# Altium PCB TSAV UPDATED UCM ISO.PcbDoc (part 2 of 2)
Units mm, origin at the board's own origin, x right, y up, seen from the top; angles counter-clockwise.
Board outline 89.03 x 90.17 mm, 4 copper layers (Top Layer, GND, PWR, Bottom Layer), stack 1.515 mm thick; 135 components, 75 nets, 408 pads, 140 vias.
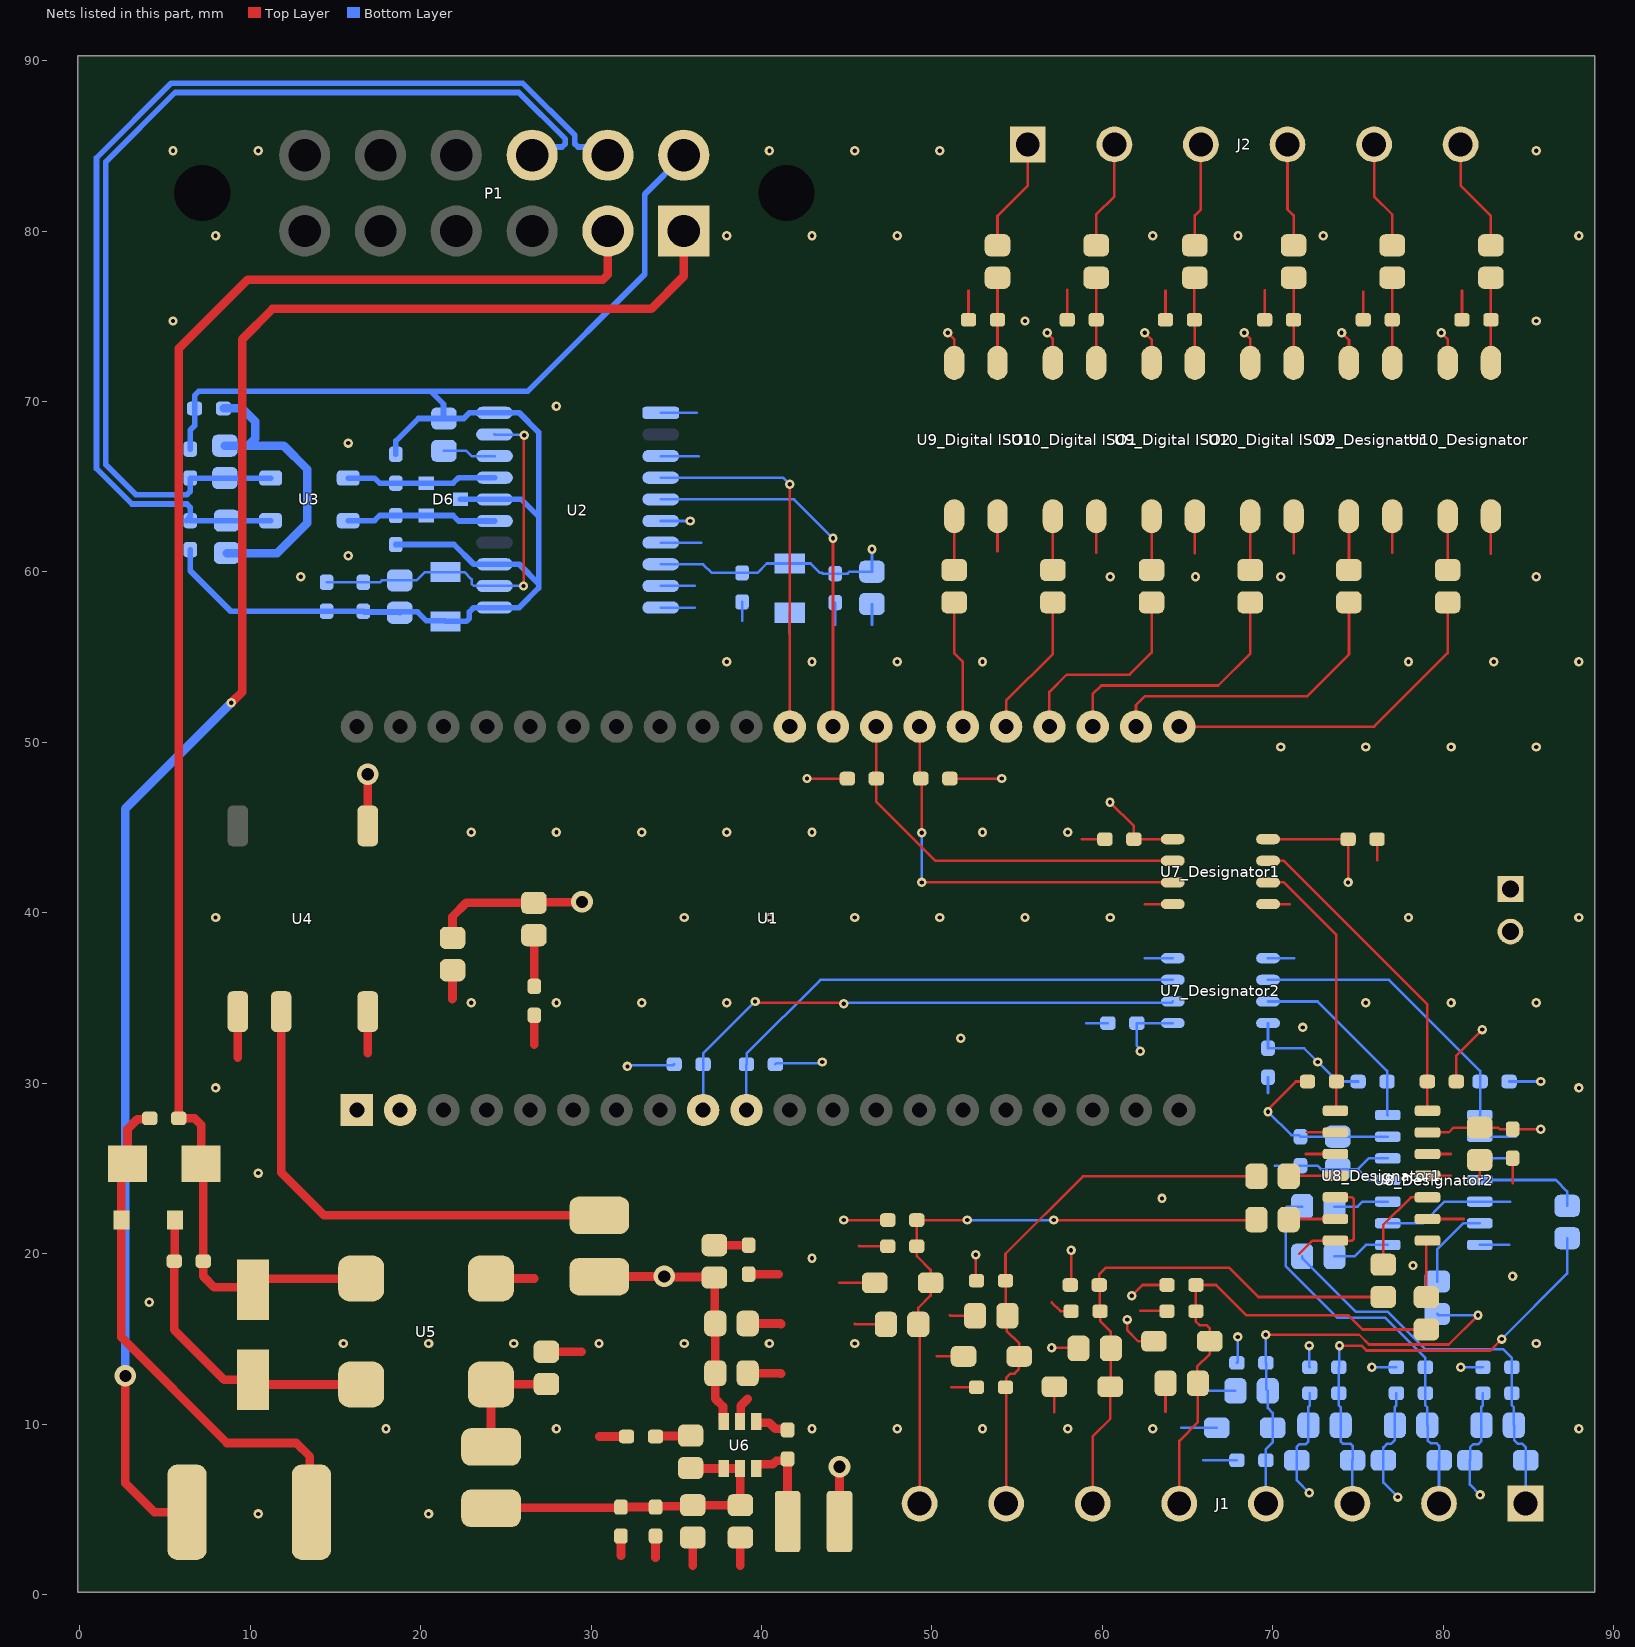
[diagram p4: the nets of this part, all layers, seen from the top]

## Via types
v1: diameter 0.55, hole 0.25, Top Layer to Bottom Layer, 135 vias
v2: diameter 1.27, hole 0.711, Top Layer to Bottom Layer, 5 vias

## Nets (pads, with @x,y where several pads share a name; then routed paths per layer and width w, separated by ;. In a path a pad name is that pad's centre, name@x,y a point inside that pad or via, vN(x,y) a via of type N, cw(c..) or ccw(c..) an arc to the next point about the centre after c; other vN are vias at no path point)
0V: "R21_Digital ISO1.1" "R21_Digital ISO2.1" "R28_Digital ISO1.1" "R28_Digital ISO2.1" C14.1 C16.1 C17.1 C21.1 C22.1 C23.1 C24.1 C26_Designator1.2 C26_Designator2.2 C30_Designator1.1 C30_Designator2.1 C32_Designator1.1 C32_Designator2.1 C33_Designator1.1 C33_Designator2.1 C34_Designator1.1 C34_Designator2.1 C35_Designator1.1 C35_Designator2.1 C36_Designator1.1 C36_Designator2.1 D8_Designator1.A D8_Designator2.A D9_Designator1.A D9_Designator2.A D10_Designator1.A D10_Designator2.A D11_Designator1.A D11_Designator2.A P2.2 R4.1 R5.1 R16_Designator1.1 R16_Designator2.1 R17_Designator1.1 R17_Designator2.1 R18_Designator1.1 R18_Designator2.1 R19_Designator1.1 R19_Designator2.1 R21_Designator.1 R28_Designator.1 U4.1 U5.3 U6.2 U7_Designator1.5 U7_Designator2.5 U8_Designator1.2 U8_Designator1.4 U8_Designator1.5 U8_Designator1.9 U8_Designator1.10 U8_Designator1.12 U8_Designator1.14 U8_Designator2.2 U8_Designator2.4 U8_Designator2.5 U8_Designator2.9 U8_Designator2.10 U8_Designator2.12 U8_Designator2.14 | length 124.6
  Top Layer w0.152: 44.577,18.288 D10_Designator1.A@46.647,18.288 ; 45.466,15.875 45.492,15.849 C35_Designator1.1@47.298,15.849 ; 45.72,20.447 45.736,20.431 R17_Designator1.1@47.41,20.431 ; 50.292,13.97 D11_Designator1.A@51.854,13.97 ; 51.054,16.383 51.08,16.357 C36_Designator1.1@52.529,16.357 ; 51.147,12.158 R18_Designator1.1@52.617,12.158 ; 52.148,74.803 52.148,76.503 ; v1(57.023,14.478) 58.558,14.478 C34_Designator1.1@58.601,14.435 ; 57.023,17.145 57.547,16.621 R19_Designator1.1@58.166,16.621 ; 57.188,10.706 D9_Designator1.A@57.188,12.192 ; 57.939,74.803 57.939,76.554 ; v1(61.468,16.129) 61.468,15.494 62.103,14.859 D8_Designator1.A@63.03,14.859 ; 62.23,16.637 63.777,16.637 R16_Designator1.1@63.793,16.621 ; 63.705,74.803 63.705,76.503 ; 63.705,10.717 C33_Designator1.1@63.705,12.391 ; 69.522,74.803 69.522,76.528 ; U7_Designator1.5@69.723,40.513 70.993,40.513 ; 71.565,20.003 72.327,20.765 U8_Designator1.14@73.681,20.765 74.659,20.765 74.748,20.854 74.748,23.216 74.659,23.305 U8_Designator1.12@73.681,23.305 ; 71.945,25.845 U8_Designator1.10@73.681,25.845 ; 72.009,27.115 U8_Designator1.9@73.681,27.115 ; 75.311,76.454 75.313,76.452 R21_Designator.1@75.313,74.803 ; 76.122,43.102 C30_Designator1.1@76.122,44.323 ; U8_Designator1.4@79.081,24.575 80.455,24.575 ; U8_Designator1.5@79.081,25.845 80.454,25.845 ; U8_Designator1.2@79.113,22.003 U8_Designator1.2@79.081,22.035 81.217,22.035 ; R28_Designator.1@81.104,74.803 81.104,76.503 ; 82.143,24.283 C26_Designator1.2@82.143,25.493 ; 84.074,24.13 C32_Designator1.1@84.074,25.605 C32_Designator1.1@84.123,25.654
  Top Layer w0.5: P2.2@83.82,41.529 P2.2@83.947,41.402
  Top Layer w0.508: 9.271,31.496 U4.1@9.271,34.2 ; U5.3@24.132,18.541 U5.3@24.13,18.539 26.667,18.539 26.67,18.542 ; C14.1@27.38,14.243 29.445,14.243 ; 30.48,9.271 R4.1@32.082,9.271 ; 31.75,2.286 C21.1@31.75,3.429 ; 33.782,2.159 C17.1@33.782,3.429 ; 35.967,1.677 C16.1@35.967,3.341 ; U6.2@38.735,10.138 38.781,10.184 38.781,11.072 39.189,11.48 ; 38.761,1.677 C22.1@38.761,3.341 ; C23.1@39.189,12.98 41.122,12.98 41.148,12.954 ; C24.1@39.189,15.901 41.122,15.901 41.148,15.875 ; R5.1@39.243,18.796 41.021,18.796
  Bottom Layer w0.152: 64.643,9.779 D10_Designator2.A@66.713,9.779 ; 65.913,7.874 R17_Designator2.1@67.896,7.874 ; 65.913,11.938 65.924,11.949 C35_Designator2.1@67.808,11.949 ; 69.723,29.426 C30_Designator2.1@69.723,30.353 ; U7_Designator2.5@69.723,37.338 71.247,37.338 ; 70.119,25.161 C32_Designator2.1@71.628,25.161 72.629,25.161 72.829,24.961 C26_Designator2.2@73.813,24.961 74.988,24.961 ; v1(72.136,5.969) 71.412,6.693 71.412,8.674 71.559,8.821 71.94,8.821 72.087,8.968 72.087,10.998 72.175,11.086 R18_Designator2.1@72.175,11.811 ; U8_Designator2.2@76.748,21.781 78.813,21.781 80.083,23.051 83.947,23.051 ; U8_Designator2.4@76.748,24.321 75.628,24.321 74.988,24.961 ; U8_Designator2.5@76.748,25.591 75.629,25.591 74.999,24.961 74.988,24.961 ; R19_Designator2.1@77.255,11.811 77.255,11.086 77.167,10.998 C34_Designator2.1@77.167,9.932 77.156,9.92 77.156,9.043 76.951,8.839 76.696,8.839 76.492,8.635 76.492,6.566 v1(77.343,5.715) ; U8_Designator2.14@82.148,20.511 83.884,20.511 ; U8_Designator2.10@82.148,25.591 84.265,25.591 ; U8_Designator2.9@82.148,26.861 84.264,26.861 ; v1(82.169,5.842) 81.572,6.439 D8_Designator2.A@81.572,7.874 81.589,7.891 81.589,8.639 81.771,8.821 82.065,8.821 82.247,9.002 82.247,10.998 82.335,11.086 R16_Designator2.1@82.335,11.811
  other v1: 10.465,4.727 20.465,4.727 17.965,9.727 27.965,9.727 42.965,9.727 47.965,9.727 52.965,9.727 57.965,9.727 62.965,9.727 87.965,9.727 15.465,14.727 20.465,14.727 25.465,14.727 30.465,14.727 35.465,14.727 40.465,14.727 45.465,14.727 85.465,14.727 4.064,17.145 84.074,18.669 78.232,19.304 42.965,19.727 63.5,23.241 10.465,24.727 7.965,29.727 87.965,29.727 71.755,33.274 75.465,34.727 80.465,34.727 85.465,34.727 7.965,39.727 77.965,39.727 87.965,39.727 12.965,59.727 15.748,60.96 15.748,67.564 27.965,69.727 5.465,74.727 55.465,74.727 85.465,74.727 7.965,79.727 37.965,79.727 42.965,79.727 47.965,79.727 62.965,79.727 67.965,79.727 72.965,79.727 87.965,79.727 5.465,84.727 10.465,84.727 40.465,84.727 45.465,84.727 50.465,84.727 85.465,84.727
"0V (ISO)": "U9_Digital ISO1.2" "U9_Digital ISO2.2" "U10_Digital ISO1.2" "U10_Digital ISO2.2" C2.1 C3.1 C4.1 C8.1 C25.1 C29_Designator1.1 C29_Designator2.1 R6.1 U1.1 U2.1 U2.3 U2.7 U2.9 U2.10 U4.4 U7_Designator1.4 U7_Designator2.4 U9_Designator.2 U10_Designator.2 | length 40.2
  Top Layer w0.152: 53.848,61.214 53.848,63.271 ; 58.801,44.323 C29_Designator1.1@60.149,44.323 C29_Designator1.1@60.086,44.386 ; 59.639,61.138 59.639,63.271 ; 62.484,40.513 U7_Designator1.4@64.135,40.513 ; 65.43,61.112 65.43,63.271 ; 71.222,61.112 71.222,63.271 ; 77.013,61.138 U9_Designator.2@77.013,63.271 ; 82.804,61.087 U10_Designator.2@82.804,63.271
  Top Layer w0.508: 16.891,31.75 U4.4@16.891,34.2 ; 21.844,34.925 21.87,34.951 C25.1@21.87,36.63 ; 26.67,32.258 R6.1@26.67,33.987
  Bottom Layer w0.152: U2.10@34.087,57.912 36.068,57.912 ; U2.9@34.087,59.182 36.068,59.182 ; U2.7@34.087,61.722 36.449,61.722 ; U2.3@34.087,66.802 36.322,66.802 ; U2.1@34.087,69.342 36.195,69.342 ; 38.862,57.15 C8.1@38.862,58.244 ; 41.656,56.388 C2.1@41.656,57.61 ; 44.323,56.896 C4.1@44.323,58.205 ; C3.1@46.477,58.117 46.482,58.112 46.482,56.896 ; 59.055,33.528 C29_Designator2.1@60.325,33.528 ; 62.484,37.338 U7_Designator2.4@64.135,37.338
  other v1: 51.689,32.639 22.965,34.727 27.965,34.727 32.965,34.727 37.965,34.727 35.465,39.727 40.465,39.727 45.465,39.727 50.465,39.727 55.465,39.727 60.465,39.727 22.965,44.727 27.965,44.727 32.965,44.727 37.965,44.727 42.965,44.727 52.965,44.727 57.965,44.727 70.465,49.727 75.465,49.727 80.465,49.727 85.465,49.727 37.965,54.727 42.965,54.727 47.965,54.727 52.965,54.727 77.965,54.727 82.965,54.727 87.965,54.727 60.465,59.727 65.465,59.727 70.465,59.727 85.465,59.727
5V: "U9_Digital ISO1.4" "U9_Digital ISO2.4" "U10_Digital ISO1.4" "U10_Digital ISO2.4" C23.2 C24.2 C26_Designator1.1 C26_Designator2.1 C30_Designator1.2 C30_Designator2.2 C32_Designator1.2 C32_Designator2.2 D4.A L2.1 L3.2 P2.1 R10_Designator1.2 R10_Designator2.2 R11_Designator1.2 R11_Designator2.2 R12_Designator1.2 R12_Designator2.2 R13_Designator1.2 R13_Designator2.2 R14_Designator1.2 R14_Designator2.2 R15_Designator1.1 R15_Designator2.1 U6.3 U7_Designator1.8 U7_Designator2.8 U8_Designator1.6 U8_Designator2.6 U9_Designator.4 U10_Designator.4 | length 82.2
  Top Layer w0.152: v1(44.831,21.971) R14_Designator1.2@47.41,21.971 ; v1(50.927,74.041) 51.308,73.66 51.308,72.271 ; v1(52.578,19.939) 52.578,18.454 R15_Designator1.1@52.617,18.415 ; v1(56.769,74.041) 56.769,73.99 57.099,73.66 57.099,72.271 ; R13_Designator1.2@58.117,18.161 58.166,18.21 v1(58.166,20.193) ; v1(61.722,17.526) 62.357,18.161 R12_Designator1.2@63.793,18.161 ; v1(62.484,74.041) 62.89,73.635 62.89,72.271 ; v1(68.326,74.041) 68.682,73.685 68.682,72.271 ; v1(69.723,28.321) 69.799,28.397 69.799,28.538 71.36,30.099 R11_Designator1.2@72.038,30.099 ; U7_Designator1.8@69.723,44.323 C30_Designator1.2@74.422,44.323 v1(74.422,41.783) ; v1(74.041,74.041) 74.473,73.609 U9_Designator.4@74.473,72.271 ; U8_Designator1.6@79.081,27.115 80.328,27.115 80.606,27.393 C26_Designator1.1@82.143,27.393 83.224,27.393 83.312,27.305 C32_Designator1.2@84.074,27.305 v1(85.725,27.305) ; v1(79.883,74.041) 80.264,73.66 U10_Designator.4@80.264,72.271 ; R10_Designator1.2@80.772,30.099 80.772,31.623 v1(82.296,33.147)
  Top Layer w0.508: L3.2@30.48,18.647 30.491,18.658 34.279,18.658 v2(34.29,18.669) 34.326,18.633 37.201,18.633 37.263,18.57 37.263,15.927 C24.2@37.289,15.901 37.289,11.48 37.739,11.03 37.739,10.184 U6.3@37.785,10.138 ; L2.1@44.578,4.279 v2(44.577,7.493)
  Bottom Layer w0.152: R14_Designator2.2@67.896,13.589 67.945,13.638 v1(67.945,15.113) ; v1(69.723,28.321) 71.089,26.955 71.534,26.955 C32_Designator2.2@71.628,26.861 C26_Designator2.1@73.813,26.861 U8_Designator2.6@76.748,26.861 ; U7_Designator2.8@69.723,33.528 C30_Designator2.2@69.723,32.053 71.833,32.053 73.787,30.099 R10_Designator2.2@75.008,30.099 ; v1(72.136,14.605) 72.136,13.374 R15_Designator2.1@72.175,13.335 ; v1(75.819,13.335) R13_Designator2.2@77.255,13.335 ; v1(81.026,13.335) R12_Designator2.2@82.335,13.335 ; R11_Designator2.2@83.869,30.099 v1(85.725,30.099)
  other v1: 72.644,31.242
"5V (ISO)": C2.2 C3.2 C4.2 C8.2 C25.2 C29_Designator1.2 C29_Designator2.2 D5.A R8_Designator1.2 R8_Designator2.2 R9_Designator1.2 R9_Designator2.2 U1.2 U2.6 U2.8 U4.5 U7_Designator1.1 U7_Designator2.1 | length 48.3
  Top Layer w0.152: v1(42.672,47.879) R8_Designator1.2@45.036,47.879 ; R9_Designator1.2@51.054,47.879 v1(54.102,47.879) ; v1(60.452,46.482) 61.849,45.085 C29_Designator1.2@61.849,44.323 U7_Designator1.1@64.135,44.323
  Top Layer w0.508: U4.5@16.891,45.1 v2(16.891,48.133) ; C25.2@21.87,38.53 21.87,39.777 22.679,40.586 D5.A@26.644,40.586 26.671,40.613 29.437,40.613 v2(29.464,40.64)
  Bottom Layer w0.152: v1(32.131,30.988) 32.194,31.051 34.813,31.051 R8_Designator2.2@34.876,31.115 ; U2.8@34.087,60.452 36.576,60.452 37.084,59.944 C8.2@38.862,59.944 39.751,59.944 40.307,60.5 C2.2@41.656,60.5 42.878,60.5 43.434,59.944 43.561,59.944 43.6,59.905 C4.2@44.323,59.905 45.046,59.905 45.158,60.017 C3.2@46.477,60.017 46.482,60.022 v1(46.482,61.341) ; U2.6@34.087,62.992 v1(35.814,62.992) ; R9_Designator2.2@40.816,31.115 40.879,31.178 43.497,31.178 v1(43.561,31.242) ; v1(62.23,31.877) 62.23,31.985 62.025,32.19 C29_Designator2.2@62.025,33.528 U7_Designator2.1@64.135,33.528
CAN_N: C10.2 P1.11 R3.2 U3.2 | length 64.2
  Bottom Layer w0.33: C10.2@6.249,63.012 6.477,63.24 6.477,63.794 6.284,63.987 3.053,63.987 0.974,66.066 0.974,84.302 5.36,88.688 25.985,88.688 29.038,85.635 29.038,85.133 29.231,84.94 30.508,84.94 P1.11@30.988,84.46 ; C10.2@6.477,63.012 R3.2@8.61,63.012 U3.2@11.198,63.012
CAN_P: C9.2 P1.10 R2.2 U3.1 | length 61.3
  Bottom Layer w0.33: U3.1@11.198,65.512 R2.2@8.509,65.512 C9.2@6.477,65.512 6.477,64.73 6.284,64.537 3.281,64.537 1.524,66.294 1.524,84.074 5.588,88.138 25.757,88.138 28.488,85.407 28.488,85.133 28.295,84.94 27.018,84.94 P1.10@26.538,84.46
CANS: C1.1 C5.1 C6.1 C7.1 C9.1 C10.1 C11.1 C12.1 C13.1 D6.3 P1.12 R1.1 U2.11 U2.13 U2.16 U2.20 | length 100.3
  Bottom Layer w0.33: C10.1@6.477,61.312 6.477,60.071 8.851,57.697 C1.1@14.478,57.697 C7.1@16.637,57.697 16.681,57.653 18.726,57.653 C6.1@18.77,57.609 18.819,57.658 19.812,57.658 20.32,57.15 21.415,57.15 C5.1@21.463,57.102 22.685,57.102 22.86,57.277 22.86,57.658 23.114,57.912 U2.11@24.333,57.912 25.781,57.912 26.924,59.055 26.924,59.309 ; C9.1@6.477,67.212 6.477,68.326 6.731,68.58 C13.1@6.731,69.596 6.731,70.358 6.985,70.612 20.574,70.612 ; C12.1@18.542,61.612 21.954,61.612 23.114,60.452 U2.13@24.334,60.452 25.781,60.452 26.924,59.309 ; C11.1@18.542,66.912 18.542,67.691 19.861,69.01 R1.1@21.362,69.01 ; D6.3@22.336,64.262 U2.16@24.334,64.262 25.908,64.262 26.924,63.246 ; P1.12@35.438,84.46 33.147,82.169 33.147,77.47 26.289,70.612 20.574,70.612 ; 20.574,70.612 21.336,69.85 21.336,69.036 R1.1@21.362,69.01 ; R1.1@21.362,69.01 22.528,69.01 22.86,69.342 U2.20@24.334,69.342 25.781,69.342 26.924,68.199 26.924,63.246 ; 26.924,59.309 26.924,63.246
GLV+: F1.1 P1.1 | length 104.4
  Top Layer w0.508: v2(2.667,12.827) 2.667,6.536 4.377,4.826 F1.1@6.289,4.826 ; v1(8.89,52.324) 9.525,52.959 9.525,73.66 11.303,75.438 33.528,75.438 35.438,77.348 P1.1@35.438,80.01
  Bottom Layer w0.508: v2@2.667,12.834 2.667,46.101 v1(8.89,52.324)
GLV-: C15.1 C18.1 C19.1 D3.K P1.2 U5.4 | length 95
  Top Layer w0.5: 7.156,74.466 9.851,77.161 30.695,77.161 30.988,77.454 P1.2@30.988,80.01 ; C19.1@10.485,18.215 10.809,18.539 U5.4@16.51,18.539
  Top Layer w0.508: 7.156,74.466 5.803,73.113 C18.1@5.803,27.94 6.731,27.94 7.118,27.553 D3.K@7.118,25.273 7.239,25.152 C15.1@7.239,19.558 7.239,18.669 7.889,18.019 10.031,18.019 C19.1@10.16,17.89 C19.1@10.485,18.215
GND: 
NetC1_2: C1.2 C5.2 C6.2 C7.2 U2.12 U2.19 | length 22.9
  Top Layer w0.152: v1(26.035,59.182) 26.058,59.205 26.058,68.004 v1(26.081,68.026)
  Bottom Layer w0.152: C1.2@14.478,59.397 C7.2@16.637,59.397 17.614,59.397 17.726,59.509 C6.2@18.77,59.509 19.758,59.509 20.241,59.992 C5.2@21.463,59.992 22.558,59.992 22.987,59.563 22.987,59.309 23.114,59.182 U2.12@24.334,59.182 v1(26.035,59.182) ; U2.19@24.334,68.072 24.357,68.049 26.058,68.049 v1(26.081,68.026)
NetC11_2: C11.2 D6.2 U2.17 U3.4 | length 8.8
  Bottom Layer w0.33: U3.4@15.748,65.512 17.292,65.512 17.592,65.212 C11.2@18.542,65.212 D6.2@20.336,65.212 21.905,65.212 22.225,65.532 U2.17@24.334,65.532
NetC12_2: C12.2 D6.1 U2.15 U3.3 | length 8.8
  Bottom Layer w0.33: U3.3@15.748,63.012 17.292,63.012 17.592,63.312 C12.2@18.542,63.312 D6.1@20.336,63.312 21.905,63.312 22.225,62.992 U2.15@24.334,62.992
NetC13_2: C13.2 R2.1 R3.1 | length 17.8
  Bottom Layer w0.5: C13.2@8.431,69.596 9.525,69.596 10.287,68.834 10.287,67.818 9.881,67.412 ; R2.1@8.509,67.412 9.881,67.412 ; R3.1@8.61,61.112 11.582,61.112 13.335,62.865 13.335,66.04 11.963,67.412 9.881,67.412
NetC14_2: C14.2 L1.2 U5.2 | length 6.9
  Top Layer w0.508: L1.2@24.13,8.658 U5.2@24.13,12.319 24.142,12.331 27.368,12.331 C14.2@27.38,12.343
NetC18_2: C18.2 D1.A D3.A F1.2 | length 31.2
  Top Layer w0.508: C18.2@4.103,27.94 4.043,27.88 3.369,27.88 2.794,27.305 2.794,25.279 2.438,24.923 D1.A@2.438,21.971 2.438,15.088 8.636,8.89 12.7,8.89 13.5,8.09 13.5,4.915 F1.2@13.589,4.826
NetC20_1: C20.1 L2.2 U6.6 | length 5.9
  Top Layer w0.508: U6.6@39.685,7.388 39.685,7.588 39.731,7.634 40.654,7.634 40.875,7.855 41.432,7.855 C20.1@41.529,7.952 L2.2@41.528,4.279 L2.2@41.528,4.279
NetC20_2: C20.2 U6.1 | length 2
  Top Layer w0.508: U6.1@39.685,10.138 39.685,10.129 39.731,10.083 40.449,10.083 40.808,9.725 41.506,9.725 C20.2@41.529,9.702
NetC33_Designator1_2: C33_Designator1.2 D8_Designator1.K J1.5 R12_Designator1.1 R16_Designator1.2 R22_Designator1.1 | length 28.8
  Top Layer w0.152: J1.5@64.516,5.334 64.516,9.017 65.605,10.106 C33_Designator1.2@65.605,12.391 ; C33_Designator1.2@65.569,12.391 65.569,13.369 66.307,14.107 D8_Designator1.K@66.307,14.859 66.307,15.608 66.109,15.806 65.69,15.806 65.493,16.003 R16_Designator1.2@65.493,16.621 R12_Designator1.1@65.493,18.161 66.675,18.161 68.453,16.383 74.435,16.383 75.27,15.548 R22_Designator1.1@79.02,15.548
NetC33_Designator2_2: C33_Designator2.2 D8_Designator2.K J1.1 R12_Designator2.1 R16_Designator2.2 R22_Designator2.1 | length 23.9
  Bottom Layer w0.152: R22_Designator2.1@71.723,19.838 71.723,19.738 74.862,16.599 76.74,16.599 78.958,14.381 83.535,14.381 84.035,13.881 R12_Designator2.1@84.035,13.335 84.035,11.098 84.147,10.986 C33_Designator2.2@84.147,9.932 84.175,9.905 84.175,9.043 84.381,8.837 84.643,8.837 84.849,8.632 84.849,5.347 J1.1@84.836,5.334
NetC34_Designator1_2: C34_Designator1.2 D9_Designator1.K J1.6 R13_Designator1.1 R19_Designator1.2 R24_Designator1.1 | length 31.6
  Top Layer w0.152: J1.6@59.436,5.334 59.436,9.271 60.465,10.3 D9_Designator1.K@60.465,12.192 60.501,12.228 C34_Designator1.2@60.501,14.435 60.501,15.413 59.866,16.048 R19_Designator1.2@59.866,16.621 ; R19_Designator1.2@59.841,16.696 59.841,18.137 R13_Designator1.1@59.817,18.161 59.817,18.789 60.205,19.177 67.437,19.177 69.161,17.453 R24_Designator1.1@76.48,17.453
NetC34_Designator2_2: C34_Designator2.2 D9_Designator2.K J1.2 R13_Designator2.1 R19_Designator2.2 R24_Designator2.1 | length 23.9
  Bottom Layer w0.152: R24_Designator2.1@71.723,22.759 70.845,22.759 70.756,22.67 70.756,19.273 73.784,16.244 76.593,16.244 78.955,13.882 R13_Designator2.1@78.955,13.335 78.955,11.098 79.067,10.986 C34_Designator2.2@79.067,9.932 79.095,9.905 79.095,9.043 79.261,8.877 79.597,8.877 79.762,8.712 79.762,7.874 79.756,7.868 J1.2@79.756,5.334
NetC35_Designator1_2: C35_Designator1.2 D10_Designator1.K J1.8 R14_Designator1.1 R17_Designator1.2 R25_Designator1.2 | length 37.2
  Top Layer w0.152: J1.8@49.276,5.334 49.276,15.771 C35_Designator1.2@49.198,15.849 49.198,16.813 49.924,17.539 49.924,19.037 49.11,19.851 R14_Designator1.1@49.11,21.971 v1(52.07,21.971) ; v1(57.15,21.971) 69.013,21.971 R25_Designator1.2@69.039,21.997
  Bottom Layer w0.152: v1(52.07,21.971) v1(57.15,21.971)
NetC35_Designator2_2: C35_Designator2.2 D10_Designator2.K J1.4 R14_Designator2.1 R17_Designator2.2 R25_Designator2.2 | length 26.1
  Top Layer w0.152: v1(69.596,15.24) 75.076,15.24 75.646,14.67 80.329,14.67 v1(82.042,16.383)
  Bottom Layer w0.152: J1.4@69.596,5.334 R17_Designator2.2@69.596,7.891 ; R17_Designator2.2@69.596,7.874 69.596,8.529 69.99,8.923 69.99,10.656 69.712,10.933 69.712,11.945 69.615,12.042 69.615,13.57 R14_Designator2.1@69.596,13.589 v1(69.596,15.24) ; R25_Designator2.2@79.655,16.461 79.733,16.383 v1(82.042,16.383)
NetC36_Designator1_2: C36_Designator1.2 D11_Designator1.K J1.7 R15_Designator1.2 R18_Designator1.2 R23_Designator1.2 | length 32.1
  Top Layer w0.152: J1.7@54.356,5.334 54.356,12.147 54.358,12.149 54.358,12.702 54.618,12.962 54.847,12.962 55.107,13.221 55.107,13.946 D11_Designator1.K@55.131,13.97 55.131,14.719 54.382,15.468 54.382,16.348 54.336,16.394 54.336,18.396 R15_Designator1.2@54.317,18.415 54.317,19.994 58.861,24.537 R23_Designator1.2@69.039,24.537
NetC36_Designator2_2: C36_Designator2.2 D11_Designator2.K J1.3 R15_Designator2.2 R18_Designator2.2 R23_Designator2.2 | length 27.3
  Top Layer w0.152: v1(73.914,14.605) 75.209,14.605 75.499,14.314 82.767,14.314 v1(83.439,14.986)
  Bottom Layer w0.152: v1(73.914,14.605) 73.914,13.374 R15_Designator2.2@73.875,13.335 73.875,11.098 73.987,10.986 73.987,8.979 74.121,8.845 74.555,8.845 74.689,8.712 D11_Designator2.K@74.689,7.874 74.676,7.861 J1.3@74.676,5.334 ; v1(83.439,14.986) 87.275,18.822 R23_Designator2.2@87.275,20.906
NetD2_K: D2.K R4.2 | length 2.1
  Top Layer w0.508: R4.2@33.782,9.271 33.806,9.295 35.816,9.295 D2.K@35.84,9.32
NetD4_K: D4.K R5.2 | length 2
  Top Layer w0.508: D4.K@37.237,20.496 R5.2@39.243,20.496
NetD5_K: D5.K R6.2 | length 3
  Top Layer w0.508: D5.K@26.644,38.686 26.657,38.673 26.657,35.7 R6.2@26.67,35.687
NetJ2_1: "R20_Digital ISO1.2" J2.1 | length 6.7
  Top Layer w0.152: 53.848,79.17 53.848,80.899 55.626,82.677 J2.1@55.626,85.09
NetJ2_2: "R27_Digital ISO1.2" J2.2 | length 6.4
  Top Layer w0.152: 59.639,79.17 59.639,80.975 60.706,82.042 J2.2@60.706,85.09
NetJ2_3: "R20_Digital ISO2.2" J2.3 | length 6.1
  Top Layer w0.152: 65.43,79.17 65.43,80.924 65.786,81.28 J2.3@65.786,85.09
NetJ2_4: "R27_Digital ISO2.2" J2.4 | length 6.1
  Top Layer w0.152: J2.4@70.866,85.09 70.866,81.28 71.222,80.924 71.222,79.17
NetJ2_5: J2.5 R20_Designator.2 | length 6.4
  Top Layer w0.152: J2.5@75.946,85.09 75.946,82.042 77.013,80.975 R20_Designator.2@77.013,79.17
NetJ2_6: J2.6 R27_Designator.2 | length 6.7
  Top Layer w0.152: J2.6@81.026,85.09 81.026,82.677 82.804,80.899 R27_Designator.2@82.804,79.17
NetL3_1: L3.1 U4.2 | length 29.1
  Top Layer w0.508: U4.2@11.811,34.2 11.811,24.765 14.329,22.247 L3.1@30.48,22.247
NetR1_2: R1.2 U2.18 | length 3.1
  Bottom Layer w0.152: R1.2@21.362,67.11 22.679,67.11 22.987,66.802 U2.18@24.334,66.802
NetR7_Designator_1: R7_Designator.1 U1.22 | length 18
  Top Layer w0.152: U1.22@61.976,50.927 61.976,52.197 62.484,52.705 72.009,52.705 74.473,55.169 R7_Designator.1@74.473,58.22
NetR7_Designator_2: R7_Designator.2 U9_Designator.1 | length 3.2
  Top Layer w0.152: R7_Designator.2@74.473,60.12 U9_Designator.1@74.473,63.271
"NetR7_Digital ISO1_1": "R7_Digital ISO1.1" U1.26 | length 7.4
  Top Layer w0.152: 51.308,58.22 51.308,55.245 51.777,54.776 ; U1.26@51.816,50.927 51.816,54.737
"NetR7_Digital ISO1_2": "R7_Digital ISO1.2" "U9_Digital ISO1.1" | length 3.2
  Top Layer w0.152: 51.308,60.12 51.308,63.271
"NetR7_Digital ISO2_1": "R7_Digital ISO2.1" U1.24 | length 11.9
  Top Layer w0.152: U1.24@56.896,50.927 56.896,52.959 57.912,53.975 61.595,53.975 62.89,55.27 62.89,58.22
"NetR7_Digital ISO2_2": "R7_Digital ISO2.2" "U9_Digital ISO2.1" | length 3.2
  Top Layer w0.152: 62.89,60.12 62.89,63.271
NetR8_Designator1_1: R8_Designator1.1 U1.28 U7_Designator1.2 | length 23.2
  Top Layer w0.152: U1.28@46.736,50.927 46.736,46.515 50.198,43.053 U7_Designator1.2@64.135,43.053
NetR8_Designator2_1: R8_Designator2.1 U1.9 U7_Designator2.2 | length 32.2
  Top Layer w0.152: v1(39.624,34.798) 39.688,34.734 44.767,34.734 v1(44.831,34.671)
  Bottom Layer w0.152: U1.9@36.576,28.427 36.576,31.75 v1(39.624,34.798) ; v1(44.831,34.671) 44.895,34.734 64.072,34.734 U7_Designator2.2@64.135,34.798
NetR9_Designator1_1: R9_Designator1.1 U1.27 U7_Designator1.3 | length 23.9
  Top Layer w0.152: U1.27@49.276,50.927 49.276,47.957 49.403,47.83 v1(49.403,44.704) ; v1(49.403,41.783) U7_Designator1.3@64.135,41.783
  Bottom Layer w0.152: v1(49.403,41.783) v1(49.403,44.704)
NetR9_Designator2_1: R9_Designator2.1 U1.10 U7_Designator2.3 | length 30.1
  Bottom Layer w0.152: U1.10@39.116,28.427 R9_Designator2.1@39.116,31.115 39.132,31.131 39.132,31.743 43.457,36.068 U7_Designator2.3@64.135,36.068
NetR10_Designator1_1: R10_Designator1.1 U7_Designator1.7 U8_Designator1.7 | length 19.1
  Top Layer w0.152: U7_Designator1.7@69.723,43.053 70.651,43.053 79.072,34.632 79.072,28.394 U8_Designator1.7@79.081,28.385
NetR10_Designator2_1: R10_Designator2.1 U7_Designator2.7 U8_Designator2.7 | length 11.3
  Bottom Layer w0.152: U7_Designator2.7@69.723,34.798 72.637,34.798 76.708,30.727 76.708,28.171 U8_Designator2.7@76.748,28.131
NetR11_Designator1_1: R11_Designator1.1 U7_Designator1.6 U8_Designator1.8 | length 15.6
  Top Layer w0.152: U7_Designator1.6@69.723,41.783 70.651,41.783 73.738,38.696 73.738,28.442 U8_Designator1.8@73.681,28.385
NetR11_Designator2_1: R11_Designator2.1 U7_Designator2.6 U8_Designator2.8 | length 17.3
  Bottom Layer w0.152: U7_Designator2.6@69.723,36.068 76.828,36.068 82.169,30.727 82.169,28.152 U8_Designator2.8@82.148,28.131
NetR20_Designator_1: R20_Designator.1 R21_Designator.2 U9_Designator.3 | length 5
  Top Layer w0.152: U9_Designator.3@77.013,72.271 R21_Designator.2@77.013,74.803 R20_Designator.1@77.013,77.27
"NetR20_Digital ISO1_1": "R20_Digital ISO1.1" "R21_Digital ISO1.2" "U9_Digital ISO1.3" | length 5
  Top Layer w0.152: 53.848,72.271 53.848,74.803 53.848,77.27
"NetR20_Digital ISO2_1": "R20_Digital ISO2.1" "R21_Digital ISO2.2" "U9_Digital ISO2.3" | length 5
  Top Layer w0.152: 65.43,72.271 65.43,74.778 65.405,74.803 65.405,77.245 65.43,77.27
NetR22_Designator1_2: R22_Designator1.2 U8_Designator1.1 | length 3.3
  Top Layer w0.152: R22_Designator1.2@79.02,17.448 79.02,20.704 U8_Designator1.1@79.081,20.765
NetR22_Designator2_2: R22_Designator2.2 U8_Designator2.1 | length 3.4
  Bottom Layer w0.152: R22_Designator2.2@73.623,19.838 74.792,19.838 75.465,20.511 U8_Designator2.1@76.748,20.511
NetR23_Designator1_1: R23_Designator1.1 U8_Designator1.11 | length 2.8
  Top Layer w0.152: R23_Designator1.1@70.939,24.537 70.977,24.575 U8_Designator1.11@73.681,24.575
NetR23_Designator2_1: R23_Designator2.1 U8_Designator2.11 | length 6.3
  Bottom Layer w0.152: U8_Designator2.11@82.148,24.321 86.614,24.321 87.275,23.66 R23_Designator2.1@87.275,22.806
NetR24_Designator1_2: R24_Designator1.2 U8_Designator1.3 | length 5.6
  Top Layer w0.152: R24_Designator1.2@76.48,19.353 76.48,21.682 78.103,23.305 U8_Designator1.3@79.081,23.305
NetR24_Designator2_2: R24_Designator2.2 U8_Designator2.3 | length 3.2
  Bottom Layer w0.152: R24_Designator2.2@73.623,22.759 74.983,22.759 75.275,23.051 U8_Designator2.3@76.748,23.051
NetR25_Designator1_1: R25_Designator1.1 U8_Designator1.13 | length 2.8
  Top Layer w0.152: R25_Designator1.1@70.939,21.997 70.977,22.035 U8_Designator1.13@73.681,22.035
NetR25_Designator2_1: R25_Designator2.1 U8_Designator2.13 | length 5
  Bottom Layer w0.152: R25_Designator2.1@79.655,18.361 79.658,18.364 79.658,20.269 81.17,21.781 U8_Designator2.13@82.148,21.781
NetR26_Designator_1: R26_Designator.1 U1.21 | length 20.5
  Top Layer w0.152: U1.21@64.516,50.927 75.946,50.927 80.264,55.245 R26_Designator.1@80.264,58.22
NetR26_Designator_2: R26_Designator.2 U10_Designator.1 | length 3.2
  Top Layer w0.152: R26_Designator.2@80.264,60.12 U10_Designator.1@80.264,63.271
"NetR26_Digital ISO1_1": "R26_Digital ISO1.1" U1.25 | length 8.4
  Top Layer w0.152: U1.25@54.356,50.927 54.356,52.451 57.099,55.194 57.099,58.22
"NetR26_Digital ISO1_2": "R26_Digital ISO1.2" "U10_Digital ISO1.1" | length 3.2
  Top Layer w0.152: 57.099,60.12 57.099,63.271
"NetR26_Digital ISO2_1": "R26_Digital ISO2.1" U1.23 | length 15.1
  Top Layer w0.152: U1.23@59.436,50.927 59.436,52.832 59.944,53.34 66.802,53.34 68.682,55.22 68.682,58.22
"NetR26_Digital ISO2_2": "R26_Digital ISO2.2" "U10_Digital ISO2.1" | length 3.2
  Top Layer w0.152: 68.682,60.12 68.682,63.271
NetR27_Designator_1: R27_Designator.1 R28_Designator.2 U10_Designator.3 | length 5
  Top Layer w0.152: U10_Designator.3@82.804,72.271 R28_Designator.2@82.804,74.803 R27_Designator.1@82.804,77.27
"NetR27_Digital ISO1_1": "R27_Digital ISO1.1" "R28_Digital ISO1.2" "U10_Digital ISO1.3" | length 5
  Top Layer w0.152: 59.639,72.271 59.639,74.803 59.639,77.27
"NetR27_Digital ISO2_1": "R27_Digital ISO2.1" "R28_Digital ISO2.2" "U10_Digital ISO2.3" | length 5
  Top Layer w0.152: 71.222,72.271 71.222,74.803 71.222,77.27
NetU1_29: U1.29 U2.5 | length 22.1
  Top Layer w0.152: U1.29@44.196,50.927 v1(44.196,61.976)
  Bottom Layer w0.152: U2.5@34.087,64.262 41.91,64.262 v1(44.196,61.976)
NetU1_30: U1.30 U2.4 | length 22
  Top Layer w0.152: U1.30@41.656,50.927 v1(41.656,65.151)
  Bottom Layer w0.152: U2.4@34.087,65.532 41.275,65.532 v1(41.656,65.151)
VBAT_D: C15.2 C19.2 D1.K U5.1 | length 18.7
  Top Layer w0.508: C15.2@5.539,19.558 5.539,15.524 8.473,12.59 C19.2@10.16,12.59 10.431,12.319 U5.1@16.51,12.319 ; C15.2@5.564,19.583 5.564,21.947 D1.K@5.588,21.971
VBAT_F: C16.2 C17.2 C21.2 C22.2 D2.A L1.1 U6.4 U6.5 | length 19.2
  Top Layer w0.508: L1.1@24.13,5.058 24.165,5.094 31.715,5.094 C21.2@31.75,5.129 C17.2@33.782,5.129 33.838,5.185 35.911,5.185 C16.2@35.967,5.241 C22.2@38.761,5.241 38.748,5.254 38.748,7.375 U6.5@38.735,7.388 D2.A@36.38,7.388
pads on no net: P1.0 P1.3 P1.4 P1.5 P1.6 P1.7 P1.8 P1.9 U1.3 U1.4 U1.5 U1.6 U1.7 U1.8 U1.11 U1.12 U1.13 U1.14 U1.15 U1.16 U1.17 U1.18 U1.19 U1.20 U1.31 U1.32 U1.33 U1.34 U1.35 U1.36 U1.37 U1.38 U1.39 U1.40 U2.2 U2.14 U4.8

## Polygon pours and split planes (outlines as drawn)
0V on Bottom Layer "0V_L04_P003" (solid, remove dead copper, pour order 3): 12.09,54.737 28.448,54.737 28.448,75.032 48.87,75.032 cw(c48.87,74.803) 49.098,74.803 49.098,71.155 cw(c48.87,71.155) 48.87,70.926 48.87,69.952 88.773,69.952 88.773,90.17 0,90.17 0,0.254 88.773,0.254 88.773,44.983 68.428,44.983 68.428,25.273 cw(c68.199,25.273) 68.199,25.044 12.319,25.044 cw(c12.319,25.273) 12.09,25.273
"0V (ISO)" on Bottom Layer "0V_(ISO)_L04_P007" (solid, pour order 7): 65.659,27.305 15.875,27.305 15.875,52.07 32.766,52.07 32.766,69.977 45.72,69.977 45.72,64.643 89.027,64.643 89.027,49.022 65.659,49.022
"0V (ISO)" on Top Layer "0V_(ISO)_L01_P005" (solid, remove dead copper, pour order 5): 32.766,69.977 45.593,69.977 45.593,64.643 88.392,64.643 88.392,49.022 65.659,49.022 65.659,26.924 15.875,26.924 15.875,52.07 32.766,52.07
0V on Top Layer "0V_L01_P002" (solid, remove dead copper, pour order 2): 12.344,54.737 28.448,54.737 28.448,75.286 49.022,75.286 cw(c49.022,75.057) 49.251,75.057 49.251,69.977 cw(c49.263,69.947) 49.276,69.977 88.392,69.754 88.392,89.789 0.381,89.789 0.381,0.635 88.392,0.635 88.392,45.212 68.174,45.212 68.174,25.527 cw(c67.945,25.527) 67.945,25.298 12.573,25.298 cw(c12.573,25.527) 12.344,25.527
0V on GND "0V_L02_P008" (solid, remove dead copper, pour order 8): 12.344,54.737 28.448,54.737 28.448,75.286 49.022,75.286 cw(c49.022,75.057) 49.251,75.057 49.251,69.977 cw(c49.022,69.977) 49.022,69.748 48.616,69.748 48.616,69.698 88.392,69.698 88.392,89.789 0.381,89.789 0.381,0.635 88.392,0.635 88.392,45.212 68.174,45.212 68.174,25.527 cw(c67.945,25.527) 67.945,25.298 12.573,25.298 cw(c12.573,25.527) 12.344,25.527
"0V (ISO)" on GND "0V_(ISO)_L02_P011" (solid, remove dead copper, pour order 11): 32.766,69.977 45.593,69.977 45.593,64.643 88.392,64.643 88.392,49.022 65.659,49.022 65.659,26.924 15.875,26.924 15.875,52.07 32.766,52.07
"5V (ISO)" on PWR "5V_(ISO)_L03_P010" (solid, remove dead copper, pour order 10): 32.766,69.977 45.593,69.977 45.593,64.643 88.392,64.643 88.392,49.022 65.659,49.022 65.659,26.924 15.875,26.924 15.875,52.07 32.766,52.07
5V on PWR "5V_L03_P009" (solid, remove dead copper, pour order 9): 12.344,54.737 28.448,54.737 28.448,75.286 49.022,75.286 cw(c49.022,75.057) 49.251,75.057 49.251,69.977 cw(c49.022,69.977) 49.022,69.748 48.616,69.748 48.616,69.698 88.392,69.698 88.392,89.789 0.381,89.789 0.381,0.635 88.392,0.635 88.392,45.212 68.174,45.212 68.174,25.527 cw(c67.945,25.527) 67.945,25.298 12.573,25.298 cw(c12.573,25.527) 12.344,25.527

## Silkscreen, mask and mechanical layers (free items; w line width, h text height)
Top Overlay:
  drawing of 157 lines, arcs and shapes, not listed
Bottom Overlay:
  drawing of 16 lines, arcs and shapes, not listed
  text "P9" at 23.368,89.662 h1.52 r90
  text "P7" at 14.224,89.535 h1.52 r90
  text "P8" at 18.796,89.535 h1.52 r90
  text "CP" at 27.178,89.535 h1.52 r90
  text "CN" at 31.75,89.535 h1.52 r90
  text "CS" at 36.195,89.408 h1.52 r90
  text "D1" at 54.61,88.773 h1.52 r180
  text "D2" at 59.563,88.773 h1.52 r180
  text "D3" at 64.516,88.773 h1.52 r180
  text "D4" at 69.723,88.773 h1.52 r180
  text "D5" at 74.676,88.773 h1.52 r180
  text "D6" at 79.756,88.773 h1.52 r180
  text "GLV+" at 36.449,77.343 h1.52 r90
  text "P6" at 14.224,77.216 h1.52 r90
  text "P5" at 18.923,77.216 h1.52 r90
  text "P4" at 23.241,77.216 h1.52 r90
  text "P3" at 27.686,77.216 h1.52 r90
  text "GLV-" at 31.75,77.216 h1.52 r90
  text "0V" at 82.169,40.64 h1.52
  text "5V" at 82.169,38.14 h1.52
  text "TSAV UCM R1" at 26.67,3.569 h1.5
  text "07/09/2024" at 26.67,1.994 h1.5
  text "A2" at 55.499,1.397 h1.52
  text "A3" at 60.706,1.397 h1.52
  text "A4" at 65.913,1.397 h1.52
  text "A5" at 70.866,1.397 h1.52
  text "A7" at 81.026,1.397 h1.52
  text "A8" at 86.106,1.397 h1.52
  text "A6" at 75.946,1.27 h1.52
  text "A1" at 50.546,1.143 h1.52
  text "N.A" at 26.67,0.644 h1.5
Mechanical 1:
  the board outline again, w0.254

## Text inside footprints (layer, text, board x,y; h text height)
C19: Top Overlay "+" at 13.66,20.836 h1.52 r270